# EAGLE board Mk4 Final Panel (EAGLE 9.0.1), part 6 of 18 (continued)
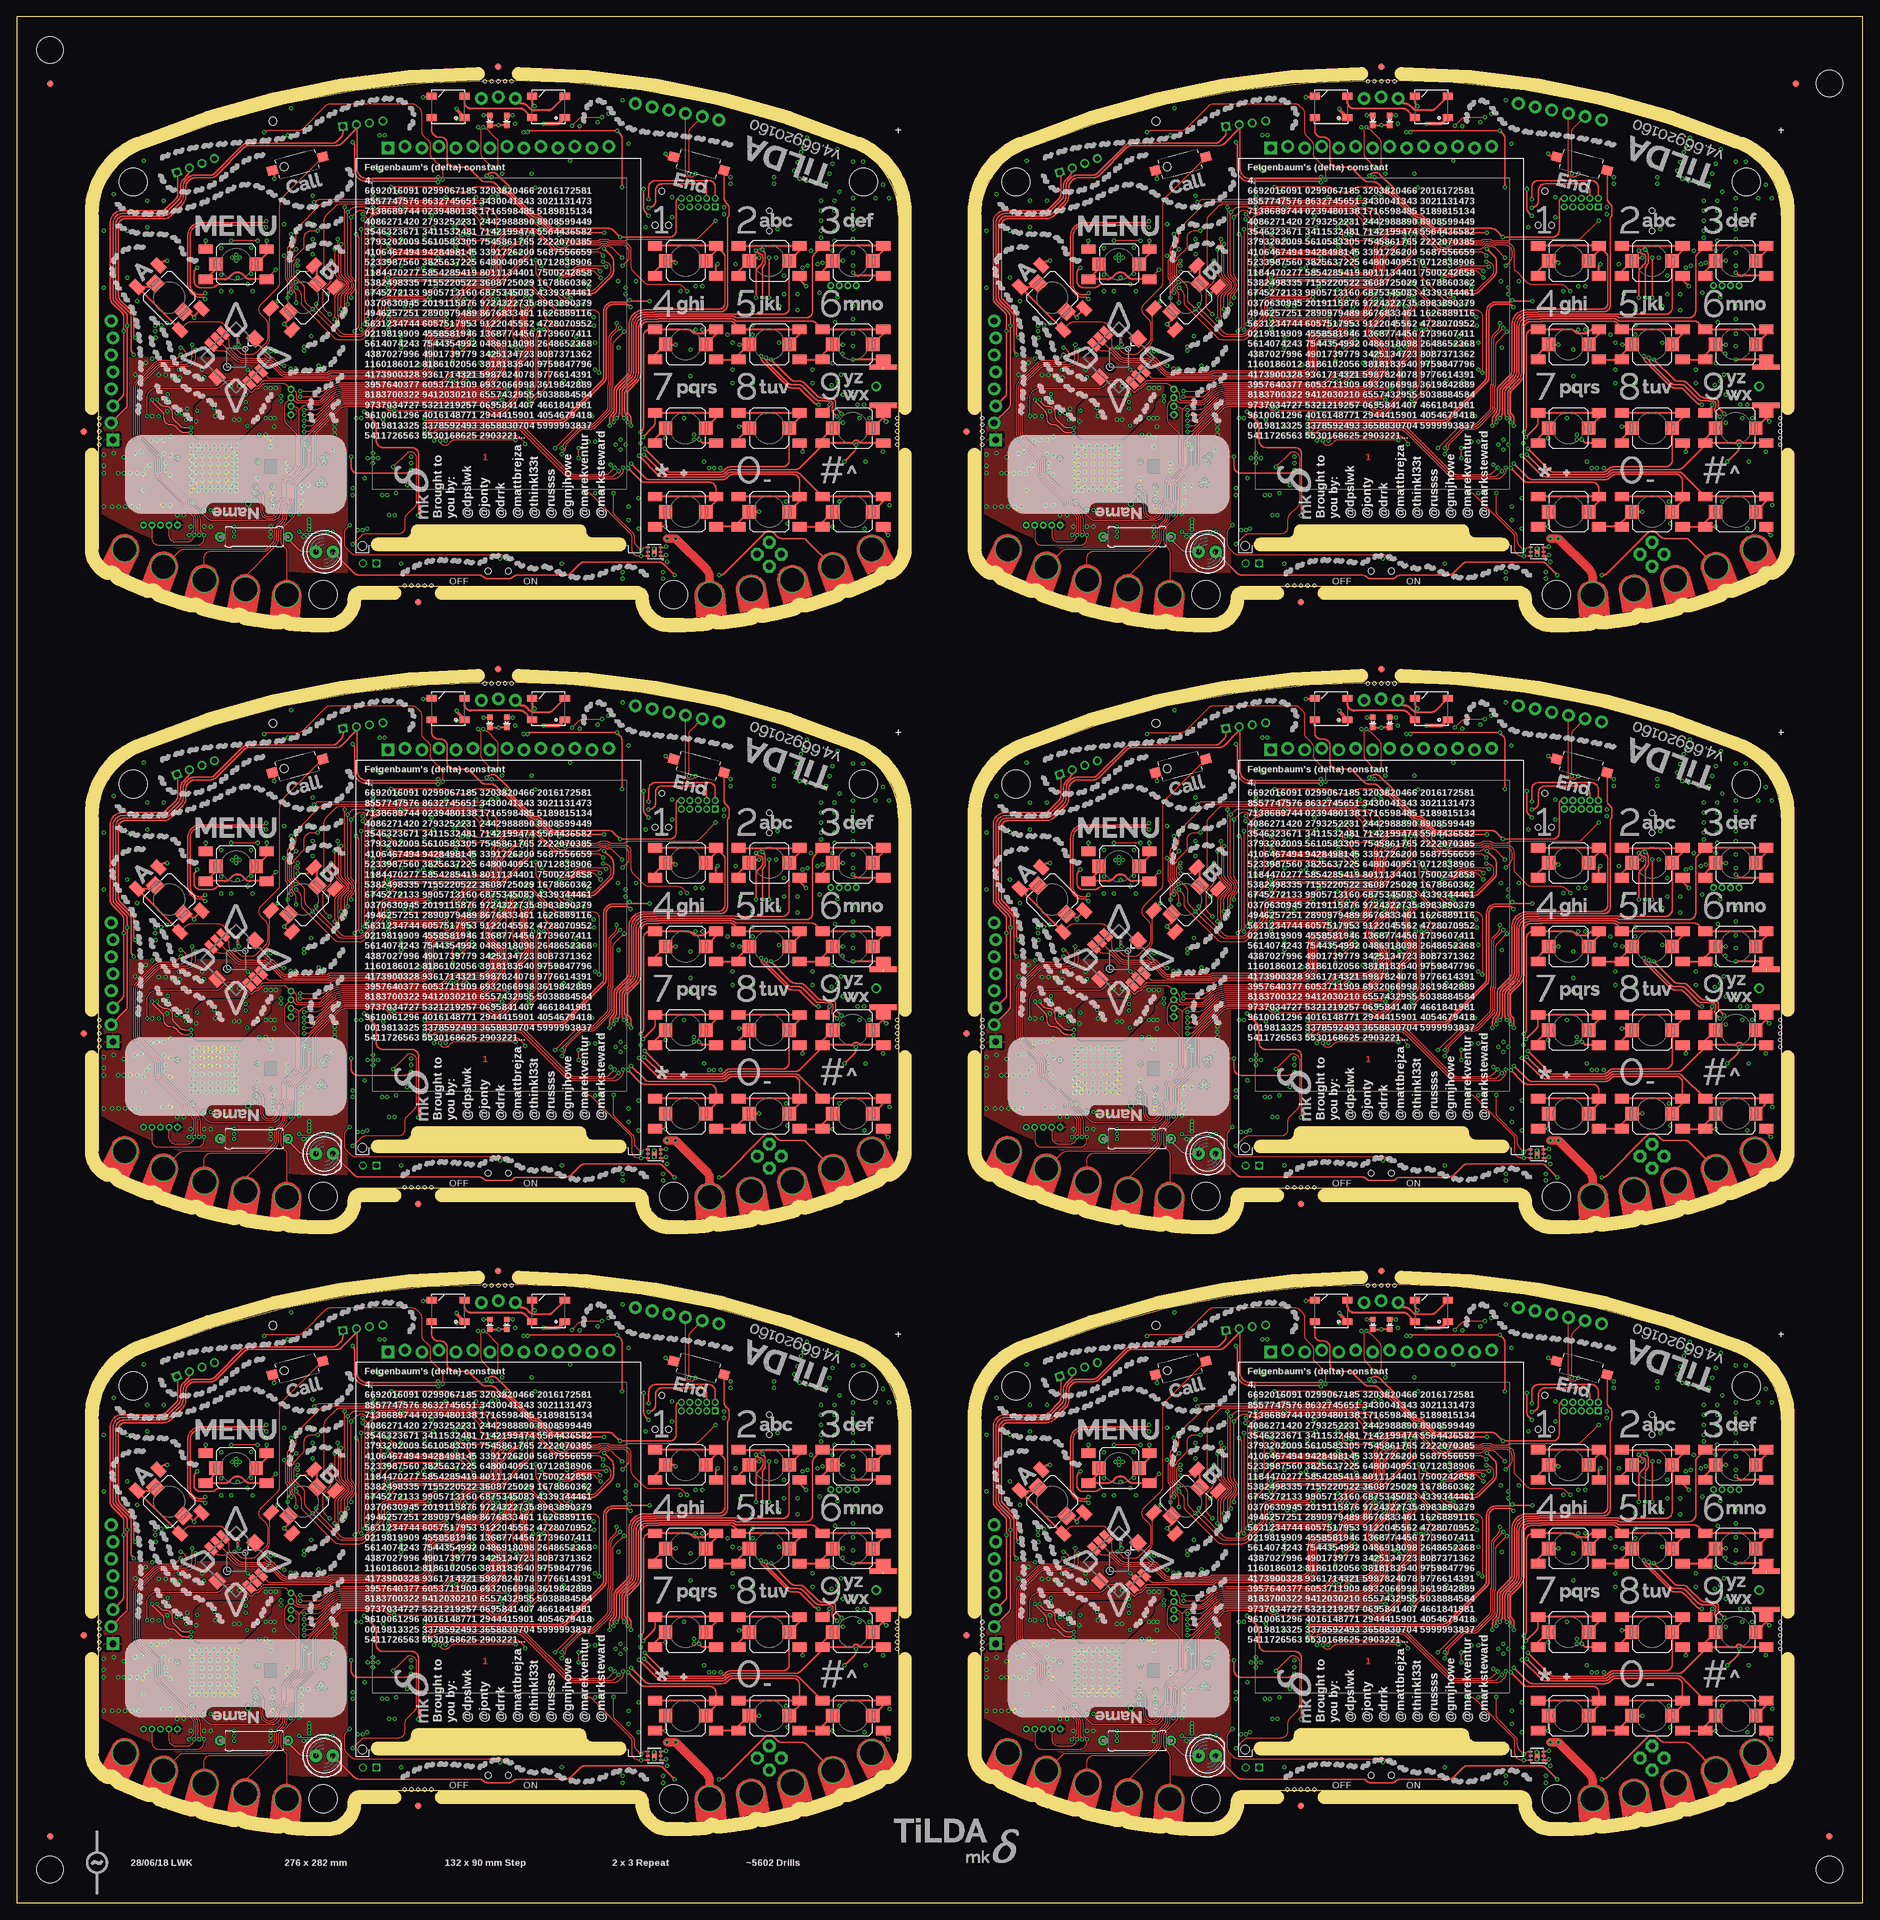
[diagram p0: board, top side]
## Tracks (layer width: path | path; a pad name or v marks a point on that pad's centre or on a via) (continued)
  Top 0.3: S49.2 117.05,132.05 S49.B2 S49.B1
  Bottom 0.15: IC49.10 93.01,127.75 93.03,127.72 93.16,127.72 arc-45 93.87,127.43 v93.9,127.4
BTN_31  (via drill 0.3)
  Top 0.2: S50.B2 117.05,122.6 arc90 116.05,123.6 107.11,123.6 arc45 106.41,123.31 106.19,123.09 arc-45 105.49,122.8 94.61,122.8 arc-45 93.91,123.09 v91.85,125.15
  Top 0.3: S50.2 117.05,119.55 S50.B2 S50.B1 | S50.B1 107.75,120.25 107.5,120 107.7,120 S50.B1
  Bottom 0.15: IC49.13 91.5,125.5 v91.85,125.15
BTN_32  (via drill 0.3)
  Top 0.2: S52.B1 119.49,146.21 arc45 118.79,146.5 107.58,146.5 arc-45 107.44,146.56 arc45 106.73,146.85 95.89,146.85 95.81,146.78 94.25,146.78 arc90 93,145.53 93,138.97 arc-45 92.41,137.56 91.19,136.34 arc45 90.9,135.63 90.9,133.09 arc45 91.19,132.38 arc-45 91.35,132.01 91.35,131.77 91.3,131.72 v91.3,131.4
  Top 0.3: S52.2 129.55,144.55 S52.B2 S52.B1
  Bottom 0.15: IC49.5 91,130.69 arc-45 v91.29,131.39 v91.3,131.4
BTN_33  (via drill 0.3)
  Top 0.2: v93.8,126.5 96.46,123.84 arc45 97.16,123.55 105.23,123.55 arc45 105.94,123.84 106.1,124.01 arc-45 106.81,124.3 116.39,124.3 arc45 117.09,124.59 120.45,127.95 S53.B2
  Top 0.3: S53.2 120.45,128.95 S53.B2 124.9,128.25 125.25,128.6 125.75,128.6 126.1,128.25 S53.B1
  Bottom 0.15: IC49.11 92.64,127.25 arc-45 93.34,126.96 v93.8,126.5
BTN_34  (via drill 0.3)
  Top 0.2: S54.B1 117.04,123.66 arc45 116.34,123.95 106.95,123.95 arc45 106.25,123.66 106.08,123.49 arc-45 105.38,123.2 96.61,123.2 arc-45 95.91,123.49 v93.05,126.35
  Top 0.3: S54.2 129.26,119.26 arc45 129.55,119.96 S54.B2 S54.B1
  Bottom 0.15: IC49.12 92.65,126.75 v93.05,126.35
BTN_35  (via drill 0.3)
  Top 0.2: S44.B1 94.7,145.25 arc90 93.7,144.25 93.7,133.2 93.7,133 93.7,130.71 arc-45 93.41,130.01 v93.3,129.9
  Top 0.3: S44.2 104.55,144.55 S44.B2 103.76,145.25 arc45 103.06,144.96 102.89,144.8 arc-45 102.54,144.65 101.46,144.65 arc-45 101.11,144.8 100.94,144.96 arc45 100.24,145.25 S44.B1
  Bottom 0.15: IC49.7 92.65,129.25 v93.3,129.9
BTN_36  (via drill 0.3)
  Top 0.2: v93.63,129.17 95.16,130.7 arc45 95.45,131.4 S45.B1
  Top 0.3: S45.2 104.55,132.05 S45.B2 S45.B1
  Bottom 0.15: IC49.8 92.97,128.75 93.02,128.8 arc45 93.43,128.97 v93.63,129.17
BTN_37  (via drill 0.3)
  Top 0.2: S64.B2 237.61,156.69 arc-45 237.9,155.99 237.9,149.25 arc-90 236.9,148.25 227.31,148.25 227.24,148.18 225.8,148.18 arc90 223.55,145.93 223.55,139.09 arc-45 223.26,138.38 221.62,136.74 arc45 221.32,136.04 221.32,133.31 arc-45 221.03,132.61 220.94,132.52 arc45 220.65,131.81 v220.65,130.85
  Top 0.3: S64.2 236.55,157.05 S64.B2 S64.B1
  Bottom 0.15: IC67.1 221,130.42 arc45 220.94,130.56 v220.65,130.85
BTN_38  (via drill 0.3)
  Top 0.2: S68.2 247.5,148.5 arc-90 246.5,147.5 239.49,147.5 239.44,147.55 227.6,147.55 227.53,147.47 226,147.47 arc90 224.25,145.72 224.25,139.01 arc-45 223.81,137.95 222.39,136.53 arc45 222.1,135.82 222.1,132.81 arc-45 221.81,132.11 v221.7,132
  Top 0.3: S68.2 249.05,157.05 S68.B2 S68.B1
  Bottom 0.15: IC67.3 222,131.29 arc45 v221.71,131.99 v221.7,132
BTN_39  (via drill 0.3)
  Top 0.2: S72.B1 251.29,156.59 arc45 251,155.89 251,148 arc-90 250,147 239.57,147 arc-45 239.43,147.06 239.35,147.14 arc45 239.21,147.2 227.75,147.2 227.67,147.12 226.1,147.12 arc90 224.6,145.62 224.6,138.97 arc-45 224.09,137.73 222.79,136.43 arc45 222.5,135.73 222.5,132.71 arc45 v222.79,132.01 v222.8,132
  Top 0.3: S72.2 261.55,157.05 S72.B2 S72.B1
  Bottom 0.15: IC67.4 222.5,131.29 arc-45 v222.79,131.99 v222.8,132
BTN_40  (via drill 0.3)
  Top 0.2: S67.B2 236.55,121.4 arc90 235.55,122.4 225.91,122.4 arc-45 225.21,122.69 v223.4,124.5
  Top 0.3: S67.2 236.55,119.55 S67.B2 S67.B1
  Bottom 0.15: IC67.14 223,125.31 arc45 223.15,124.95 223.26,124.84 arc-45 v223.4,124.5
BTN_41  (via drill 0.3)
  Top 0.2: S69.B1 239.95,145.55 239.29,146.21 arc45 238.59,146.5 228.03,146.5 227.96,146.43 226.35,146.43 arc90 225.35,145.43 225.35,138.93 arc-45 224.69,137.34 223.59,136.24 arc45 223.3,135.54 223.3,133.19 arc45 223.59,132.48 arc-45 223.85,131.86 v223.85,130.85
  Top 0.3: S69.2 249.05,144.55 S69.B2 S69.B1
  Bottom 0.15: IC67.6 223.5,130.29 arc-45 223.65,130.65 v223.85,130.85
BTN_42  (via drill 0.3)
  Top 0.2: S70.2 247.5,125.7 arc-90 246.5,124.7 238.71,124.7 arc45 238.01,124.41 237.79,124.19 arc-45 237.09,123.9 231.7,123.9 229.81,123.9 arc-45 229.11,124.19 v225.9,127.4
  Top 0.3: S70.2 249.05,132.05 S70.B2 S70.B1
  Bottom 0.15: IC67.10 225.01,127.75 225.03,127.72 225.16,127.72 arc-45 225.87,127.43 v225.9,127.4
BTN_43  (via drill 0.3)
  Top 0.2: S71.B2 249.05,122.6 arc90 248.05,123.6 239.11,123.6 arc45 238.41,123.31 238.19,123.09 arc-45 237.49,122.8 226.61,122.8 arc-45 225.91,123.09 v223.85,125.15
  Top 0.3: S71.2 249.05,119.55 S71.B2 S71.B1 | S71.B1 239.75,120.25 239.5,120 239.7,120 S71.B1
  Bottom 0.15: IC67.13 223.5,125.5 v223.85,125.15
BTN_44  (via drill 0.3)
  Top 0.2: S73.B1 251.49,146.21 arc45 250.79,146.5 239.58,146.5 arc-45 239.44,146.56 arc45 238.73,146.85 227.89,146.85 227.81,146.78 226.25,146.78 arc90 225,145.53 225,138.97 arc-45 224.41,137.56 223.19,136.34 arc45 222.9,135.63 222.9,133.09 arc45 223.19,132.38 arc-45 223.35,132.01 223.35,131.77 223.3,131.72 v223.3,131.4
  Top 0.3: S73.2 261.55,144.55 S73.B2 S73.B1
  Bottom 0.15: IC67.5 223,130.69 arc-45 v223.29,131.39 v223.3,131.4
BTN_45  (via drill 0.3)
  Top 0.2: v225.8,126.5 228.46,123.84 arc45 229.16,123.55 237.23,123.55 arc45 237.94,123.84 238.1,124.01 arc-45 238.81,124.3 248.39,124.3 arc45 249.09,124.59 252.45,127.95 S74.B2
  Top 0.3: S74.2 252.45,128.95 S74.B2 256.9,128.25 257.25,128.6 257.75,128.6 258.1,128.25 S74.B1
  Bottom 0.15: IC67.11 224.64,127.25 arc-45 225.34,126.96 v225.8,126.5
BTN_46  (via drill 0.3)
  Top 0.2: S75.B1 249.04,123.66 arc45 248.34,123.95 238.95,123.95 arc45 238.25,123.66 238.08,123.49 arc-45 237.38,123.2 228.61,123.2 arc-45 227.91,123.49 v225.05,126.35
  Top 0.3: S75.2 261.26,119.26 arc45 261.55,119.96 S75.B2 S75.B1
  Bottom 0.15: IC67.12 224.65,126.75 v225.05,126.35
BTN_47  (via drill 0.3)
  Top 0.2: S65.B1 226.7,145.25 arc90 225.7,144.25 225.7,133.2 225.7,133 225.7,130.71 arc-45 225.41,130.01 v225.3,129.9
  Top 0.3: S65.2 236.55,144.55 S65.B2 235.76,145.25 arc45 235.06,144.96 234.9,144.8 arc-45 234.54,144.65 233.46,144.65 arc-45 233.1,144.8 232.94,144.96 arc45 232.24,145.25 S65.B1
  Bottom 0.15: IC67.7 224.65,129.25 v225.3,129.9
BTN_48  (via drill 0.3)
  Top 0.2: v225.63,129.17 227.16,130.7 arc45 227.45,131.4 S66.B1
  Top 0.3: S66.2 236.55,132.05 S66.B2 S66.B1
  Bottom 0.15: IC67.8 224.97,128.75 225.02,128.8 arc45 225.43,128.97 v225.63,129.17
BTN_49  (via drill 0.3)
  Top 0.2: S85.B2 105.61,246.69 arc-45 105.9,245.99 105.9,239.25 arc-90 104.9,238.25 95.31,238.25 95.23,238.18 93.8,238.18 arc90 91.55,235.93 91.55,229.09 arc-45 91.26,228.38 89.62,226.74 arc45 89.33,226.04 89.33,223.31 arc-45 89.03,222.6 88.94,222.52 arc45 88.65,221.81 v88.65,220.85
  Top 0.3: S85.2 104.55,247.05 S85.B2 S85.B1
  Bottom 0.15: IC85.1 89,220.42 arc45 88.94,220.56 v88.65,220.85
BTN_50  (via drill 0.3)
  Top 0.2: S89.2 115.5,238.5 arc-90 114.5,237.5 107.48,237.5 107.44,237.55 95.6,237.55 95.53,237.47 94,237.47 arc90 92.25,235.72 92.25,229.01 arc-45 91.81,227.95 90.39,226.53 arc45 90.1,225.82 90.1,222.81 arc-45 89.81,222.11 v89.7,222
  Top 0.3: S89.2 117.05,247.05 S89.B2 S89.B1
  Bottom 0.15: IC85.3 90,221.29 arc45 v89.71,221.99 v89.7,222
BTN_51  (via drill 0.3)
  Top 0.2: S93.B1 119.29,246.59 arc45 119,245.89 119,238 arc-90 118,237 107.57,237 arc-45 107.43,237.06 107.35,237.14 arc45 107.21,237.2 95.75,237.2 95.67,237.12 94.1,237.12 arc90 92.6,235.62 92.6,228.97 arc-45 92.09,227.73 90.79,226.43 arc45 90.5,225.73 90.5,222.71 arc45 v90.79,222.01 v90.8,222
  Top 0.3: S93.2 129.55,247.05 S93.B2 S93.B1
  Bottom 0.15: IC85.4 90.5,221.29 arc-45 v90.79,221.99 v90.8,222
BTN_52  (via drill 0.3)
  Top 0.2: S88.B2 104.55,211.4 arc90 103.55,212.4 93.91,212.4 arc-45 93.21,212.69 v91.4,214.5
  Top 0.3: S88.2 104.55,209.55 S88.B2 S88.B1
  Bottom 0.15: IC85.14 91,215.31 arc45 91.15,214.95 91.26,214.84 arc-45 v91.4,214.5
BTN_53  (via drill 0.3)
  Top 0.2: S90.B1 107.95,235.55 107.29,236.21 arc45 106.59,236.5 96.03,236.5 95.96,236.43 94.35,236.43 arc90 93.35,235.43 93.35,228.93 arc-45 92.69,227.34 91.59,226.24 arc45 91.3,225.54 91.3,223.19 arc45 91.59,222.48 arc-45 91.85,221.86 v91.85,220.85
  Top 0.3: S90.2 117.05,234.55 S90.B2 S90.B1
  Bottom 0.15: IC85.6 91.5,220.29 arc-45 91.65,220.65 v91.85,220.85
BTN_54  (via drill 0.3)
  Top 0.2: S91.2 115.5,215.7 arc-90 114.5,214.7 106.71,214.7 arc45 106.01,214.41 105.79,214.19 arc-45 105.09,213.9 99.7,213.9 97.81,213.9 arc-45 97.11,214.19 v93.9,217.4
  Top 0.3: S91.2 117.05,222.05 S91.B2 S91.B1
  Bottom 0.15: IC85.10 93.01,217.75 93.03,217.72 93.16,217.72 arc-45 93.87,217.43 v93.9,217.4
BTN_55  (via drill 0.3)
  Top 0.2: S92.B2 117.05,212.6 arc90 116.05,213.6 107.11,213.6 arc45 106.41,213.31 106.19,213.09 arc-45 105.49,212.8 94.61,212.8 arc-45 93.91,213.09 v91.85,215.15
  Top 0.3: S92.2 117.05,209.55 S92.B2 S92.B1 | S92.B1 107.75,210.25 107.5,210 107.7,210 S92.B1
  Bottom 0.15: IC85.13 91.5,215.5 v91.85,215.15
BTN_56  (via drill 0.3)
  Top 0.2: S94.B1 119.49,236.21 arc45 118.79,236.5 107.58,236.5 arc-45 107.44,236.56 arc45 106.73,236.85 95.89,236.85 95.81,236.78 94.25,236.78 arc90 93,235.53 93,228.97 arc-45 92.41,227.56 91.19,226.34 arc45 90.9,225.63 90.9,223.09 arc45 91.19,222.38 arc-45 91.35,222.01 91.35,221.77 91.3,221.72 v91.3,221.4
  Top 0.3: S94.2 129.55,234.55 S94.B2 S94.B1
  Bottom 0.15: IC85.5 91,220.69 arc-45 v91.29,221.39 v91.3,221.4
BTN_57  (via drill 0.3)
  Top 0.2: v93.8,216.5 96.46,213.84 arc45 97.16,213.55 105.23,213.55 arc45 105.94,213.84 106.1,214.01 arc-45 106.81,214.3 116.39,214.3 arc45 117.09,214.59 120.45,217.95 S95.B2
  Top 0.3: S95.2 120.45,218.95 S95.B2 124.9,218.25 125.25,218.6 125.75,218.6 126.1,218.25 S95.B1
  Bottom 0.15: IC85.11 92.64,217.25 arc-45 93.34,216.96 v93.8,216.5
BTN_58  (via drill 0.3)
  Top 0.2: S96.B1 117.04,213.66 arc45 116.34,213.95 106.95,213.95 arc45 106.25,213.66 106.08,213.49 arc-45 105.38,213.2 96.61,213.2 arc-45 95.91,213.49 v93.05,216.35
  Top 0.3: S96.2 129.26,209.26 arc45 129.55,209.96 S96.B2 S96.B1
  Bottom 0.15: IC85.12 92.65,216.75 v93.05,216.35
BTN_59  (via drill 0.3)
  Top 0.2: S86.B1 94.7,235.25 arc90 93.7,234.25 93.7,223.2 93.7,223 93.7,220.71 arc-45 93.41,220.01 v93.3,219.9
  Top 0.3: S86.2 104.55,234.55 S86.B2 103.76,235.25 arc45 103.06,234.96 102.89,234.8 arc-45 102.54,234.65 101.46,234.65 arc-45 101.11,234.8 100.94,234.96 arc45 100.24,235.25 S86.B1
  Bottom 0.15: IC85.7 92.65,219.25 v93.3,219.9
BTN_60  (via drill 0.3)
  Top 0.2: v93.63,219.17 95.16,220.7 arc45 95.45,221.4 S87.B1
  Top 0.3: S87.2 104.55,222.05 S87.B2 S87.B1
  Bottom 0.15: IC85.8 92.97,218.75 93.02,218.8 arc45 93.43,218.97 v93.63,219.17
BTN_61  (via drill 0.3)
  Top 0.2: S106.B2 237.61,246.69 arc-45 237.9,245.99 237.9,239.25 arc-90 236.9,238.25 227.31,238.25 227.24,238.18 225.8,238.18 arc90 223.55,235.93 223.55,229.09 arc-45 223.26,228.38 221.62,226.74 arc45 221.32,226.04 221.32,223.31 arc-45 221.03,222.6 220.94,222.52 arc45 220.65,221.81 v220.65,220.85
  Top 0.3: S106.2 236.55,247.05 S106.B2 S106.B1
  Bottom 0.15: IC103.1 221,220.42 arc45 220.94,220.56 v220.65,220.85
BTN_62  (via drill 0.3)
  Top 0.2: S110.2 247.5,238.5 arc-90 246.5,237.5 239.49,237.5 239.44,237.55 227.6,237.55 227.53,237.47 226,237.47 arc90 224.25,235.72 224.25,229.01 arc-45 223.81,227.95 222.39,226.53 arc45 222.1,225.82 222.1,222.81 arc-45 221.81,222.11 v221.7,222
  Top 0.3: S110.2 249.05,247.05 S110.B2 S110.B1
  Bottom 0.15: IC103.3 222,221.29 arc45 v221.71,221.99 v221.7,222
BTN_63  (via drill 0.3)
  Top 0.2: S114.B1 251.29,246.59 arc45 251,245.89 251,238 arc-90 250,237 239.57,237 arc-45 239.43,237.06 239.35,237.14 arc45 239.21,237.2 227.75,237.2 227.67,237.12 226.1,237.12 arc90 224.6,235.62 224.6,228.97 arc-45 224.09,227.73 222.79,226.43 arc45 222.5,225.73 222.5,222.71 arc45 v222.79,222.01 v222.8,222
  Top 0.3: S114.2 261.55,247.05 S114.B2 S114.B1
  Bottom 0.15: IC103.4 222.5,221.29 arc-45 v222.79,221.99 v222.8,222
BTN_64  (via drill 0.3)
  Top 0.2: S109.B2 236.55,211.4 arc90 235.55,212.4 225.91,212.4 arc-45 225.21,212.69 v223.4,214.5
  Top 0.3: S109.2 236.55,209.55 S109.B2 S109.B1
  Bottom 0.15: IC103.14 223,215.31 arc45 223.15,214.95 223.26,214.84 arc-45 v223.4,214.5
BTN_65  (via drill 0.3)
  Top 0.2: S111.B1 239.95,235.55 239.29,236.21 arc45 238.59,236.5 228.03,236.5 227.96,236.43 226.35,236.43 arc90 225.35,235.43 225.35,228.93 arc-45 224.69,227.34 223.59,226.24 arc45 223.3,225.54 223.3,223.19 arc45 223.59,222.48 arc-45 223.85,221.86 v223.85,220.85
  Top 0.3: S111.2 249.05,234.55 S111.B2 S111.B1
  Bottom 0.15: IC103.6 223.5,220.29 arc-45 223.65,220.65 v223.85,220.85
BTN_66  (via drill 0.3)
  Top 0.2: S112.2 247.5,215.7 arc-90 246.5,214.7 238.71,214.7 arc45 238.01,214.41 237.79,214.19 arc-45 237.09,213.9 231.7,213.9 229.81,213.9 arc-45 229.11,214.19 v225.9,217.4
  Top 0.3: S112.2 249.05,222.05 S112.B2 S112.B1
  Bottom 0.15: IC103.10 225.01,217.75 225.03,217.72 225.16,217.72 arc-45 225.87,217.43 v225.9,217.4
BTN_67  (via drill 0.3)
  Top 0.2: S113.B2 249.05,212.6 arc90 248.05,213.6 239.11,213.6 arc45 238.41,213.31 238.19,213.09 arc-45 237.49,212.8 226.61,212.8 arc-45 225.91,213.09 v223.85,215.15
  Top 0.3: S113.2 249.05,209.55 S113.B2 S113.B1 | S113.B1 239.75,210.25 239.5,210 239.7,210 S113.B1
  Bottom 0.15: IC103.13 223.5,215.5 v223.85,215.15
BTN_68  (via drill 0.3)
  Top 0.2: S115.B1 251.49,236.21 arc45 250.79,236.5 239.58,236.5 arc-45 239.44,236.56 arc45 238.73,236.85 227.89,236.85 227.81,236.78 226.25,236.78 arc90 225,235.53 225,228.97 arc-45 224.41,227.56 223.19,226.34 arc45 222.9,225.63 222.9,223.09 arc45 223.19,222.38 arc-45 223.35,222.01 223.35,221.77 223.3,221.72 v223.3,221.4
  Top 0.3: S115.2 261.55,234.55 S115.B2 S115.B1
  Bottom 0.15: IC103.5 223,220.69 arc-45 v223.29,221.39 v223.3,221.4
BTN_69  (via drill 0.3)
  Top 0.2: v225.8,216.5 228.46,213.84 arc45 229.16,213.55 237.23,213.55 arc45 237.94,213.84 238.1,214.01 arc-45 238.81,214.3 248.39,214.3 arc45 249.09,214.59 252.45,217.95 S116.B2
  Top 0.3: S116.2 252.45,218.95 S116.B2 256.9,218.25 257.25,218.6 257.75,218.6 258.1,218.25 S116.B1
  Bottom 0.15: IC103.11 224.64,217.25 arc-45 225.34,216.96 v225.8,216.5
BTN_70  (via drill 0.3)
  Top 0.2: S117.B1 249.04,213.66 arc45 248.34,213.95 238.95,213.95 arc45 238.25,213.66 238.08,213.49 arc-45 237.38,213.2 228.61,213.2 arc-45 227.91,213.49 v225.05,216.35
  Top 0.3: S117.2 261.26,209.26 arc45 261.55,209.96 S117.B2 S117.B1
  Bottom 0.15: IC103.12 224.65,216.75 v225.05,216.35
BTN_71  (via drill 0.3)
  Top 0.2: S107.B1 226.7,235.25 arc90 225.7,234.25 225.7,223.2 225.7,223 225.7,220.71 arc-45 225.41,220.01 v225.3,219.9
  Top 0.3: S107.2 236.55,234.55 S107.B2 235.76,235.25 arc45 235.06,234.96 234.9,234.8 arc-45 234.54,234.65 233.46,234.65 arc-45 233.1,234.8 232.94,234.96 arc45 232.24,235.25 S107.B1
  Bottom 0.15: IC103.7 224.65,219.25 v225.3,219.9
BTN_72  (via drill 0.3)
  Top 0.2: v225.63,219.17 227.16,220.7 arc45 227.45,221.4 S108.B1
  Top 0.3: S108.2 236.55,222.05 S108.B2 S108.B1
  Bottom 0.15: IC103.8 224.97,218.75 225.02,218.8 arc45 225.43,218.97 v225.63,219.17
BTN_A  (via drill 0.3)
  Top 0.15: v61,39.4 61.81,40.21 arc-45 62.51,40.5 74.98,40.5 arc-45 75.87,40.13 82.43,33.57 arc45 83.32,33.2 88.69,33.2 arc45 89.39,33.49 v90,34.1 | S13.B1 25.34,56.11 arc-45 26.05,56.4 30.19,56.4 arc-45 30.89,56.11 32.91,54.09 arc-45 33.2,53.39 v33.2,53
  Top 0.3: S13.2 20.18,61.63 S13.B2 S13.B1
  Bottom 0.15: IC4.16 v90,34.1 | v61,39.4 60.81,39.4 arc-45 60.11,39.69 57.99,41.81 arc45 57.11,42.17 56.19,42.17 arc-45 55.31,42.54 51.72,46.13 arc45 50.83,46.5 43.75,46.5 arc-45 43.61,46.56 43.4,46.77 arc45 43.26,46.83 42.72,46.83 arc-45 41.83,47.19 40.09,48.93 arc45 39.21,49.3 36.94,49.3 arc-45 36.23,49.59 35.29,50.53 arc45 34.41,50.9 34.2,50.9 arc-90 33.2,51.9 v33.2,53
BTN_A1  (via drill 0.3)
  Top 0.15: v193,39.4 193.81,40.21 arc-45 194.51,40.5 206.98,40.5 arc-45 207.87,40.13 214.43,33.57 arc45 215.32,33.2 220.69,33.2 arc45 221.39,33.49 v222,34.1 | S35.B1 157.34,56.11 arc-45 158.05,56.4 162.19,56.4 arc-45 162.89,56.11 164.91,54.09 arc-45 165.2,53.39 v165.2,53
  Top 0.3: S35.2 152.18,61.63 S35.B2 S35.B1
  Bottom 0.15: IC31.16 v222,34.1 | v193,39.4 192.81,39.4 arc-45 192.11,39.69 189.99,41.81 arc45 189.11,42.17 188.19,42.17 arc-45 187.31,42.54 183.72,46.13 arc45 182.83,46.5 175.75,46.5 arc-45 175.61,46.56 175.4,46.77 arc45 175.26,46.83 174.72,46.83 arc-45 173.83,47.19 172.09,48.93 arc45 171.21,49.3 168.94,49.3 arc-45 168.23,49.59 167.29,50.53 arc45 166.41,50.9 166.2,50.9 arc-90 165.2,51.9 v165.2,53
BTN_A2  (via drill 0.3)
  Top 0.15: v61,129.4 61.81,130.21 arc-45 62.51,130.5 74.98,130.5 arc-45 75.87,130.13 82.43,123.57 arc45 83.32,123.2 88.69,123.2 arc45 89.39,123.49 v90,124.1 | S56.B1 25.34,146.11 arc-45 26.05,146.4 30.19,146.4 arc-45 30.89,146.11 32.91,144.09 arc-45 33.2,143.39 v33.2,143
  Top 0.3: S56.2 20.18,151.63 S56.B2 S56.B1
  Bottom 0.15: IC49.16 v90,124.1 | v61,129.4 60.81,129.4 arc-45 60.11,129.69 57.99,131.81 arc45 57.11,132.18 56.19,132.18 arc-45 55.31,132.54 51.72,136.13 arc45 50.83,136.5 43.75,136.5 arc-45 43.61,136.56 43.4,136.77 arc45 43.26,136.82 42.72,136.82 arc-45 41.83,137.19 40.09,138.93 arc45 39.21,139.3 36.94,139.3 arc-45 36.23,139.59 35.29,140.53 arc45 34.41,140.9 34.2,140.9 arc-90 33.2,141.9 v33.2,143
BTN_A3  (via drill 0.3)
  Top 0.15: v193,129.4 193.81,130.21 arc-45 194.51,130.5 206.98,130.5 arc-45 207.87,130.13 214.43,123.57 arc45 215.32,123.2 220.69,123.2 arc45 221.39,123.49 v222,124.1 | S77.B1 157.34,146.11 arc-45 158.05,146.4 162.19,146.4 arc-45 162.89,146.11 164.91,144.09 arc-45 165.2,143.39 v165.2,143
  Top 0.3: S77.2 152.18,151.63 S77.B2 S77.B1
  Bottom 0.15: IC67.16 v222,124.1 | v193,129.4 192.81,129.4 arc-45 192.11,129.69 189.99,131.81 arc45 189.11,132.18 188.19,132.18 arc-45 187.31,132.54 183.72,136.13 arc45 182.83,136.5 175.75,136.5 arc-45 175.61,136.56 175.4,136.77 arc45 175.26,136.82 174.72,136.82 arc-45 173.83,137.19 172.09,138.93 arc45 171.21,139.3 168.94,139.3 arc-45 168.23,139.59 167.29,140.53 arc45 166.41,140.9 166.2,140.9 arc-90 165.2,141.9 v165.2,143
BTN_A4  (via drill 0.3)
  Top 0.15: v61,219.4 61.81,220.21 arc-45 62.51,220.5 74.98,220.5 arc-45 75.87,220.13 82.43,213.57 arc45 83.32,213.2 88.69,213.2 arc45 89.39,213.49 v90,214.1 | S98.B1 25.34,236.11 arc-45 26.05,236.4 30.19,236.4 arc-45 30.89,236.11 32.91,234.09 arc-45 33.2,233.39 v33.2,233
  Top 0.3: S98.2 20.18,241.63 S98.B2 S98.B1
  Bottom 0.15: IC85.16 v90,214.1 | v61,219.4 60.81,219.4 arc-45 60.11,219.69 57.99,221.81 arc45 57.11,222.18 56.19,222.18 arc-45 55.31,222.54 51.72,226.13 arc45 50.83,226.5 43.75,226.5 arc-45 43.61,226.56 43.4,226.77 arc45 43.26,226.82 42.72,226.82 arc-45 41.83,227.19 40.09,228.93 arc45 39.21,229.3 36.94,229.3 arc-45 36.23,229.59 35.29,230.53 arc45 34.41,230.9 34.2,230.9 arc-90 33.2,231.9 v33.2,233
BTN_A5  (via drill 0.3)
  Top 0.15: v193,219.4 193.81,220.21 arc-45 194.51,220.5 206.98,220.5 arc-45 207.87,220.13 214.43,213.57 arc45 215.32,213.2 220.69,213.2 arc45 221.39,213.49 v222,214.1 | S119.B1 157.34,236.11 arc-45 158.05,236.4 162.19,236.4 arc-45 162.89,236.11 164.91,234.09 arc-45 165.2,233.39 v165.2,233
  Top 0.3: S119.2 152.18,241.63 S119.B2 S119.B1
  Bottom 0.15: IC103.16 v222,214.1 | v193,219.4 192.81,219.4 arc-45 192.11,219.69 189.99,221.81 arc45 189.11,222.18 188.19,222.18 arc-45 187.31,222.54 183.72,226.13 arc45 182.83,226.5 175.75,226.5 arc-45 175.61,226.56 175.4,226.77 arc45 175.26,226.82 174.72,226.82 arc-45 173.83,227.19 172.09,228.93 arc45 171.21,229.3 168.94,229.3 arc-45 168.23,229.59 167.29,230.53 arc45 166.41,230.9 166.2,230.9 arc-90 165.2,231.9 v165.2,233
BTN_B  (via drill 0.3)
  Top 0.15: v89.4,34.6 88.59,33.79 arc-45 87.89,33.5 83.41,33.5 arc-45 82.71,33.79 76.09,40.41 arc45 75.03,40.85 62.06,40.85 arc45 61.36,40.56 v61,40.2 | S15.B2 43.52,63.9 v42,63.9 | v39,59.5 arc-45 38.92,59.3 S15.B1 37.8,58.18 37.8,53.82 arc-45 37.43,52.93 36.86,52.36 arc90 36.86,51.65 37.41,51.1 arc45 37.77,50.95 38.14,50.95 arc-45 38.5,50.8 39.21,50.09 arc45 39.91,49.8 v40,49.8
  Top 0.3: S15.2 44.92,64.31 S15.B2
  Bottom 0.15: IC4.17 89.5,34.7 v89.4,34.6 | v61,40.2 60.44,40.2 arc-45 59.73,40.49 58.19,42.04 arc45 57.13,42.48 56.22,42.48 arc-45 55.51,42.77 51.91,46.36 arc45 50.85,46.8 43.87,46.8 arc-45 43.73,46.86 43.52,47.07 arc45 43.38,47.12 42.79,47.12 arc-45 42.08,47.42 40.15,49.35 arc-45 40,49.71 v40,49.8 | v42,63.9 39.29,61.19 arc45 39,60.49 v39,59.5
BTN_B1  (via drill 0.3)
  Top 0.15: v221.4,34.6 220.59,33.79 arc-45 219.89,33.5 215.41,33.5 arc-45 214.71,33.79 208.09,40.41 arc45 207.03,40.85 194.06,40.85 arc45 193.36,40.56 v193,40.2 | S34.B2 175.52,63.9 v174,63.9 | v171,59.5 arc-45 170.92,59.3 S34.B1 169.8,58.18 169.8,53.82 arc-45 169.43,52.93 168.86,52.36 arc90 168.86,51.65 169.41,51.1 arc45 169.76,50.95 170.14,50.95 arc-45 170.5,50.8 171.21,50.09 arc45 171.91,49.8 v172,49.8
  Top 0.3: S34.2 176.92,64.31 S34.B2
  Bottom 0.15: IC31.17 221.5,34.7 v221.4,34.6 | v193,40.2 192.44,40.2 arc-45 191.73,40.49 190.19,42.04 arc45 189.13,42.48 188.22,42.48 arc-45 187.51,42.77 183.92,46.36 arc45 182.85,46.8 175.87,46.8 arc-45 175.73,46.86 175.53,47.07 arc45 175.38,47.12 174.79,47.12 arc-45 174.08,47.42 172.15,49.35 arc-45 172,49.71 v172,49.8 | v174,63.9 171.29,61.19 arc45 171,60.49 v171,59.5
BTN_B2  (via drill 0.3)
  Top 0.15: v89.4,124.6 88.59,123.79 arc-45 87.89,123.5 83.41,123.5 arc-45 82.71,123.79 76.09,130.41 arc45 75.03,130.85 62.06,130.85 arc45 61.36,130.56 v61,130.2 | S55.B2 43.52,153.9 v42,153.9 | v39,149.5 arc-45 38.92,149.3 S55.B1 37.8,148.18 37.8,143.82 arc-45 37.43,142.93 36.86,142.36 arc90 36.86,141.65 37.41,141.1 arc45 37.77,140.95 38.14,140.95 arc-45 38.5,140.8 39.21,140.09 arc45 39.91,139.8 v40,139.8
  Top 0.3: S55.2 44.92,154.31 S55.B2
  Bottom 0.15: IC49.17 89.5,124.7 v89.4,124.6 | v61,130.2 60.44,130.2 arc-45 59.73,130.49 58.19,132.04 arc45 57.13,132.47 56.22,132.47 arc-45 55.51,132.77 51.91,136.36 arc45 50.85,136.8 43.87,136.8 arc-45 43.73,136.86 43.52,137.07 arc45 43.38,137.12 42.79,137.12 arc-45 42.08,137.42 40.15,139.35 arc-45 40,139.71 v40,139.8 | v42,153.9 39.29,151.19 arc45 39,150.49 v39,149.5
BTN_B3  (via drill 0.3)
  Top 0.15: v221.4,124.6 220.59,123.79 arc-45 219.89,123.5 215.41,123.5 arc-45 214.71,123.79 208.09,130.41 arc45 207.03,130.85 194.06,130.85 arc45 193.36,130.56 v193,130.2 | S76.B2 175.52,153.9 v174,153.9 | v171,149.5 arc-45 170.92,149.3 S76.B1 169.8,148.18 169.8,143.82 arc-45 169.43,142.93 168.86,142.36 arc90 168.86,141.65 169.41,141.1 arc45 169.76,140.95 170.14,140.95 arc-45 170.5,140.8 171.21,140.09 arc45 171.91,139.8 v172,139.8
  Top 0.3: S76.2 176.92,154.31 S76.B2
  Bottom 0.15: IC67.17 221.5,124.7 v221.4,124.6 | v193,130.2 192.44,130.2 arc-45 191.73,130.49 190.19,132.04 arc45 189.13,132.47 188.22,132.47 arc-45 187.51,132.77 183.92,136.36 arc45 182.85,136.8 175.87,136.8 arc-45 175.73,136.86 175.53,137.07 arc45 175.38,137.12 174.79,137.12 arc-45 174.08,137.42 172.15,139.35 arc-45 172,139.71 v172,139.8 | v174,153.9 171.29,151.19 arc45 171,150.49 v171,149.5
BTN_B4  (via drill 0.3)
  Top 0.15: v89.4,214.6 88.59,213.79 arc-45 87.89,213.5 83.41,213.5 arc-45 82.71,213.79 76.09,220.41 arc45 75.03,220.85 62.06,220.85 arc45 61.36,220.56 v61,220.2 | S97.B2 43.52,243.9 v42,243.9 | v39,239.5 arc-45 38.92,239.3 S97.B1 37.8,238.18 37.8,233.82 arc-45 37.43,232.93 36.86,232.36 arc90 36.86,231.65 37.41,231.1 arc45 37.77,230.95 38.14,230.95 arc-45 38.5,230.8 39.21,230.09 arc45 39.91,229.8 v40,229.8
  Top 0.3: S97.2 44.92,244.31 S97.B2
  Bottom 0.15: IC85.17 89.5,214.7 v89.4,214.6 | v61,220.2 60.44,220.2 arc-45 59.73,220.49 58.19,222.04 arc45 57.13,222.47 56.22,222.47 arc-45 55.51,222.77 51.91,226.36 arc45 50.85,226.8 43.87,226.8 arc-45 43.73,226.86 43.52,227.07 arc45 43.38,227.12 42.79,227.12 arc-45 42.08,227.42 40.15,229.35 arc-45 40,229.71 v40,229.8 | v42,243.9 39.29,241.19 arc45 39,240.49 v39,239.5
BTN_B5  (via drill 0.3)
  Top 0.15: v221.4,214.6 220.59,213.79 arc-45 219.89,213.5 215.41,213.5 arc-45 214.71,213.79 208.09,220.41 arc45 207.03,220.85 194.06,220.85 arc45 193.36,220.56 v193,220.2 | S118.B2 175.52,243.9 v174,243.9 | v171,239.5 arc-45 170.92,239.3 S118.B1 169.8,238.18 169.8,233.82 arc-45 169.43,232.93 168.86,232.36 arc90 168.86,231.65 169.41,231.1 arc45 169.76,230.95 170.14,230.95 arc-45 170.5,230.8 171.21,230.09 arc45 171.91,229.8 v172,229.8
  Top 0.3: S118.2 176.92,244.31 S118.B2
  Bottom 0.15: IC103.17 221.5,214.7 v221.4,214.6 | v193,220.2 192.44,220.2 arc-45 191.73,220.49 190.19,222.04 arc45 189.13,222.47 188.22,222.47 arc-45 187.51,222.77 183.92,226.36 arc45 182.85,226.8 175.87,226.8 arc-45 175.73,226.86 175.53,227.07 arc45 175.38,227.12 174.79,227.12 arc-45 174.08,227.42 172.15,229.35 arc-45 172,229.71 v172,229.8 | v174,243.9 171.29,241.19 arc45 171,240.49 v171,239.5
BTN_CALL  (via drill 0.3)